# Altium PCB CFD_V1.03.PcbDoc (part 9 of 10)
Units mm, origin at the board's own origin, x right, y up, seen from the top; angles counter-clockwise.
Board outline 96.25 x 362.25 mm, 6 copper layers (Top, L2, L3, L4, L5, Bot), stack 1.496 mm thick; 1353 components, 761 nets, 4147 pads, 1354 vias.
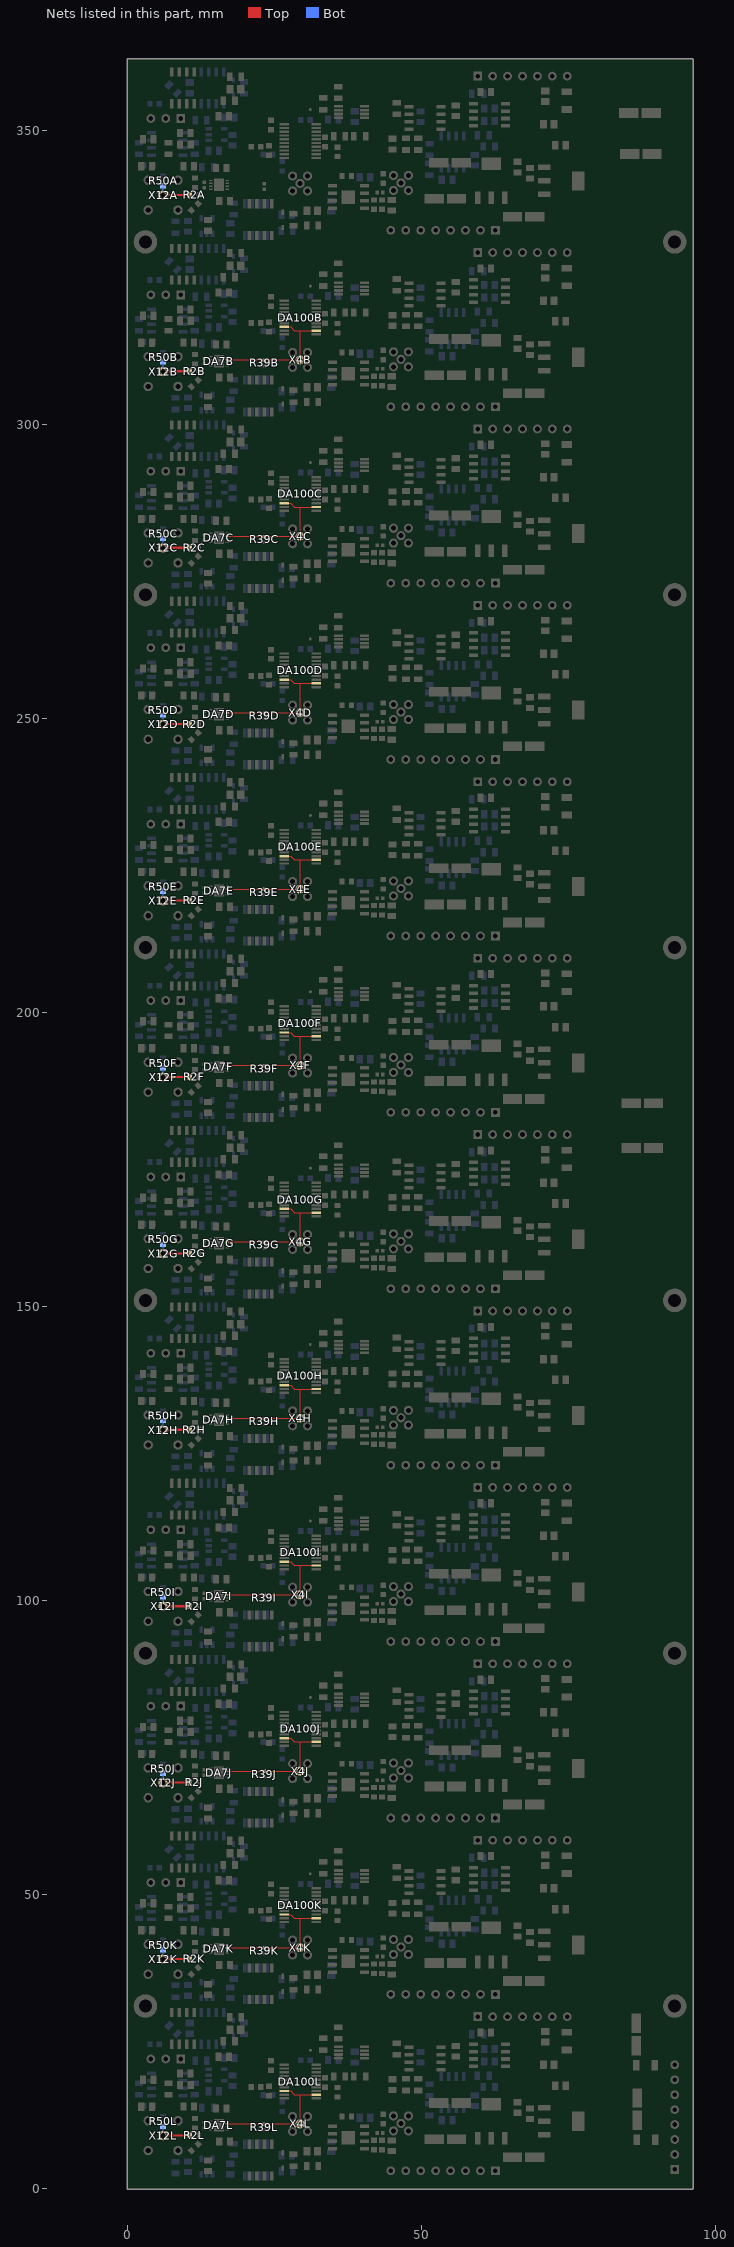
[diagram p13: the nets of this part, all layers, seen from the top]

## Via types
v1: diameter 0.48, hole 0.25, Top to Bot, tented both sides, 1301 vias
v2: diameter 1, hole 0.6, Top to Bot, tented both sides, 46 vias
v3: diameter 0.2/0.48/0.48/0.48/0.48/0.48 (per signal layer), hole 0.25, Top to Bot, tented both sides, 3 vias
v4: diameter 0.2/0/0/0/0/0.48 (per signal layer), hole 0.25, Top to Bot, tented both sides, 3 vias
v5: diameter 0.48/0.48/0.48/0.48/0.48/0.48 (per signal layer), hole 0.25, Top to Bot, tented both sides, 1 vias

## Nets (pads, with @x,y where several pads share a name; then routed paths per layer and width w, separated by ;. In a path a pad name is that pad's centre, name@x,y a point inside that pad or via, vN(x,y) a via of type N, cw(c..) or ccw(c..) an arc to the next point about the centre after c; other vN are vias at no path point) (continued)
SIG_IN_BUFB: DA7B.7 DA100B.8 DA100B.12 R39B.1 X4B.1 | length 22.6
  Top w0.12: DA100B.8@26.83,316.56 27.67,316.56 28.305,315.925 29.33,315.925 DA100B.12@31.805,315.925 ; X4B.1@29.3,310.95 29.33,310.98 29.33,315.9
  Top w0.15: DA7B.7@16.9,310.95 23.2,310.95 X4B.1@29.3,310.95
SIG_IN_BUFC: DA7C.7 DA100C.8 DA100C.12 R39C.1 X4C.1 | length 22.6
  Top w0.12: DA100C.8@26.83,286.56 27.67,286.56 28.305,285.925 29.33,285.925 DA100C.12@31.805,285.925 ; X4C.1@29.3,280.95 29.33,280.98 29.33,285.9
  Top w0.15: DA7C.7@16.9,280.95 23.2,280.95 X4C.1@29.3,280.95
SIG_IN_BUFD: DA7D.7 DA100D.8 DA100D.12 R39D.1 X4D.1 | length 22.6
  Top w0.12: DA100D.8@26.83,256.56 27.67,256.56 28.305,255.925 29.33,255.925 DA100D.12@31.805,255.925 ; X4D.1@29.3,250.95 29.33,250.98 29.33,255.9
  Top w0.15: DA7D.7@16.9,250.95 23.2,250.95 X4D.1@29.3,250.95
SIG_IN_BUFE: DA7E.7 DA100E.8 DA100E.12 R39E.1 X4E.1 | length 22.6
  Top w0.12: DA100E.8@26.83,226.56 27.67,226.56 28.305,225.925 29.33,225.925 DA100E.12@31.805,225.925 ; X4E.1@29.3,220.95 29.33,220.98 29.33,225.9
  Top w0.15: DA7E.7@16.9,220.95 23.2,220.95 X4E.1@29.3,220.95
SIG_IN_BUFF: DA7F.7 DA100F.8 DA100F.12 R39F.1 X4F.1 | length 22.6
  Top w0.12: DA100F.8@26.83,196.56 27.67,196.56 28.305,195.925 29.33,195.925 DA100F.12@31.805,195.925 ; X4F.1@29.3,190.95 29.33,190.98 29.33,195.9
  Top w0.15: DA7F.7@16.9,190.95 23.2,190.95 X4F.1@29.3,190.95
SIG_IN_BUFG: DA7G.7 DA100G.8 DA100G.12 R39G.1 X4G.1 | length 22.6
  Top w0.12: DA100G.8@26.83,166.56 27.67,166.56 28.305,165.925 29.33,165.925 DA100G.12@31.805,165.925 ; X4G.1@29.3,160.95 29.33,160.98 29.33,165.9
  Top w0.15: DA7G.7@16.9,160.95 23.2,160.95 X4G.1@29.3,160.95
SIG_IN_BUFH: DA7H.7 DA100H.8 DA100H.12 R39H.1 X4H.1 | length 22.6
  Top w0.12: DA100H.8@26.83,136.56 27.67,136.56 28.305,135.925 29.33,135.925 DA100H.12@31.805,135.925 ; X4H.1@29.3,130.95 29.33,130.98 29.33,135.9
  Top w0.15: DA7H.7@16.9,130.95 23.2,130.95 X4H.1@29.3,130.95
SIG_IN_BUFI: DA7I.7 DA100I.8 DA100I.12 R39I.1 X4I.1 | length 22.6
  Top w0.12: DA100I.8@26.83,106.56 27.67,106.56 28.305,105.925 29.33,105.925 DA100I.12@31.805,105.925 ; X4I.1@29.3,100.95 29.33,100.98 29.33,105.9
  Top w0.15: DA7I.7@16.9,100.95 23.2,100.95 X4I.1@29.3,100.95
SIG_IN_BUFJ: DA7J.7 DA100J.8 DA100J.12 R39J.1 X4J.1 | length 22.6
  Top w0.12: DA100J.8@26.83,76.56 27.67,76.56 28.305,75.925 29.33,75.925 DA100J.12@31.805,75.925 ; X4J.1@29.3,70.95 29.33,70.98 29.33,75.9
  Top w0.15: DA7J.7@16.9,70.95 23.2,70.95 X4J.1@29.3,70.95
SIG_IN_BUFK: DA7K.7 DA100K.8 DA100K.12 R39K.1 X4K.1 | length 22.6
  Top w0.12: DA100K.8@26.83,46.56 27.67,46.56 28.305,45.925 29.33,45.925 DA100K.12@31.805,45.925 ; X4K.1@29.3,40.95 29.33,40.98 29.33,45.9
  Top w0.15: DA7K.7@16.9,40.95 23.2,40.95 X4K.1@29.3,40.95
SIG_IN_BUFL: DA7L.7 DA100L.8 DA100L.12 R39L.1 X4L.1 | length 22.6
  Top w0.12: DA100L.8@26.83,16.56 27.67,16.56 28.305,15.925 29.33,15.925 DA100L.12@31.805,15.925 ; X4L.1@29.3,10.95 29.33,10.98 29.33,15.9
  Top w0.15: DA7L.7@16.9,10.95 23.2,10.95 X4L.1@29.3,10.95
SIG_INA: R2A.1 R50A.1 X12A.1 | length 6.4
  Top w0.37: X12A.1@6,339 R2A.1@10.65,339
  Bot w0.12: X12A.1@6,339 R50A.1@6,340.7
SIG_INB: R2B.1 R50B.1 X12B.1 | length 6.4
  Top w0.37: X12B.1@6,309 R2B.1@10.65,309
  Bot w0.12: X12B.1@6,309 R50B.1@6,310.7
SIG_INC: R2C.1 R50C.1 X12C.1 | length 6.4
  Top w0.37: X12C.1@6,279 R2C.1@10.65,279
  Bot w0.12: X12C.1@6,279 R50C.1@6,280.7
SIG_IND: R2D.1 R50D.1 X12D.1 | length 6.3
  Top w0.37: X12D.1@6,249 R2D.1@10.65,249
  Bot w0.12: X12D.1@6,249 R50D.1@6,250.7
SIG_INE: R2E.1 R50E.1 X12E.1 | length 6.3
  Top w0.37: X12E.1@6,219 R2E.1@10.65,219
  Bot w0.12: X12E.1@6,219 R50E.1@6,220.7
SIG_INF: R2F.1 R50F.1 X12F.1 | length 6.4
  Top w0.37: X12F.1@6,189 R2F.1@10.65,189
  Bot w0.12: X12F.1@6,189 R50F.1@6,190.7
SIG_ING: R2G.1 R50G.1 X12G.1 | length 6.4
  Top w0.37: X12G.1@6,159 R2G.1@10.65,159
  Bot w0.12: X12G.1@6,159 R50G.1@6,160.7
SIG_INH: R2H.1 R50H.1 X12H.1 | length 6.4
  Top w0.37: X12H.1@6,129 R2H.1@10.65,129
  Bot w0.12: X12H.1@6,129 R50H.1@6,130.7
SIG_INI: R2I.1 R50I.1 X12I.1 | length 6.4
  Top w0.37: X12I.1@6,99 R2I.1@10.65,99
  Bot w0.12: X12I.1@6,99 R50I.1@6,100.7
SIG_INJ: R2J.1 R50J.1 X12J.1 | length 6.3
  Top w0.37: X12J.1@6,69 R2J.1@10.65,69
  Bot w0.12: X12J.1@6,69 R50J.1@6,70.7
SIG_INK: R2K.1 R50K.1 X12K.1 | length 6.4
  Top w0.37: X12K.1@6,39 R2K.1@10.65,39
  Bot w0.12: X12K.1@6,39 R50K.1@6,40.7
SIG_INL: R2L.1 R50L.1 X12L.1 | length 6.3
  Top w0.37: X12L.1@6,9 R2L.1@10.65,9
  Bot w0.12: X12L.1@6,9 R50L.1@6,10.7
pads on no net: DA2A.7 DA2B.7 DA2C.7 DA2D.7 DA2E.7 DA2F.7 DA2G.7 DA2H.7 DA2I.7 DA2J.7 DA2K.7 DA2L.7 DA4A.1 DA4A.5 DA4A.8 DA4B.1 DA4B.5 DA4B.8 DA4C.1 DA4C.5 DA4C.8 DA4D.1 DA4D.5 DA4D.8 DA4E.1 DA4E.5 DA4E.8 DA4F.1 DA4F.5 DA4F.8 DA4G.1 DA4G.5 DA4G.8 DA4H.1 DA4H.5 DA4H.8 DA4I.1 DA4I.5 DA4I.8 DA4J.1 DA4J.5 DA4J.8 DA4K.1 DA4K.5 DA4K.8 DA4L.1 DA4L.5 DA4L.8 DA5A.1 DA5A.5 DA5A.8 DA5B.1 DA5B.5 DA5B.8 DA5C.1 DA5C.5 DA5C.8 DA5D.1 DA5D.5 DA5D.8 DA5E.1 DA5E.5 DA5E.8 DA5F.1 DA5F.5 DA5F.8 DA5G.1 DA5G.5 DA5G.8 DA5H.1 DA5H.5 DA5H.8 DA5I.1 DA5I.5 DA5I.8 DA5J.1 DA5J.5 DA5J.8 DA5K.1 DA5K.5 DA5K.8 DA5L.1 DA5L.5 DA5L.8 DA6A.1 DA6A.5 DA6A.8 DA6B.1 DA6B.5 DA6B.8 DA6C.1 DA6C.5 DA6C.8 DA6D.1 DA6D.5 DA6D.8 DA6E.1 DA6E.5 DA6E.8 DA6F.1 DA6F.5 DA6F.8 DA6G.1 DA6G.5 DA6G.8 DA6H.1 DA6H.5 DA6H.8 DA6I.1 DA6I.5 DA6I.8 DA6J.1 DA6J.5 DA6J.8 DA6K.1 DA6K.5 DA6K.8 DA6L.1 DA6L.5 DA6L.8 DA7A.1 DA7A.6 DA7B.1 DA7B.6 DA7C.1 DA7C.6 DA7D.1 DA7D.6 DA7E.1 DA7E.6 DA7F.1 DA7F.6 DA7G.1 DA7G.6 DA7H.1 DA7H.6 DA7I.1 DA7I.6 DA7J.1 DA7J.6 DA7K.1 DA7K.6 DA7L.1 DA7L.6 DA8A.5 DA8A.8 DA8A.9 DA8B.5 DA8B.8 DA8B.9 DA8C.5 DA8C.8 DA8C.9 DA8D.5 DA8D.8 DA8D.9 DA8E.5 DA8E.8 DA8E.9 DA8F.5 DA8F.8 DA8F.9 DA8G.5 DA8G.8 DA8G.9 DA8H.5 DA8H.8 DA8H.9 DA8I.5 DA8I.8 DA8I.9 DA8J.5 DA8J.8 DA8J.9 DA8K.5 DA8K.8 DA8K.9 DA8L.5 DA8L.8 DA8L.9 DA20A.1 DA20A.5 DA20A.8 DA20B.1 DA20B.5 DA20B.8 DA20C.1 DA20C.5 DA20C.8 DA20D.1 DA20D.5 DA20D.8 DA20E.1 DA20E.5 DA20E.8 DA20F.1 DA20F.5 DA20F.8 DA20G.1 DA20G.5 DA20G.8 DA20H.1 DA20H.5 DA20H.8 DA20I.1 DA20I.5 DA20I.8 DA20J.1 DA20J.5 DA20J.8 DA20K.1 DA20K.5 DA20K.8 DA20L.1 DA20L.5 DA20L.8 DA100A.5 DA100A.6 DA100A.10 DA100A.11 DA100A.15 DA100A.16 DA100B.5 DA100B.6 DA100B.10 DA100B.11 DA100B.15 DA100B.16 DA100C.5 DA100C.6 DA100C.10 DA100C.11 DA100C.15 DA100C.16 DA100D.5 DA100D.6 DA100D.10 DA100D.11 DA100D.15 DA100D.16 DA100E.5 DA100E.6 DA100E.10 DA100E.11 DA100E.15 DA100E.16 DA100F.5 DA100F.6 DA100F.10 DA100F.11 DA100F.15 DA100F.16 DA100G.5 DA100G.6 DA100G.10 DA100G.11 DA100G.15 DA100G.16 DA100H.5 DA100H.6 DA100H.10 DA100H.11 DA100H.15 DA100H.16 DA100I.5 DA100I.6 DA100I.10 DA100I.11 DA100I.15 DA100I.16 DA100J.5 DA100J.6 DA100J.10 DA100J.11 DA100J.15 DA100J.16 DA100K.5 DA100K.6 DA100K.10 DA100K.11 DA100K.15 DA100K.16 DA100L.5 DA100L.6 DA100L.10 DA100L.11 DA100L.15 DA100L.16 DD9A.1 DD9A.4 DD9B.1 DD9B.4 DD9C.1 DD9C.4 DD9D.1 DD9D.4 DD9E.1 DD9E.4 DD9F.1 DD9F.4 DD9G.1 DD9G.4 DD9H.1 DD9H.4 DD9I.1 DD9I.4 DD9J.1 DD9J.4 DD9K.1 DD9K.4 DD9L.1 DD9L.4

## Polygon pours and split planes (outlines as drawn)
GND on L3 "Mid-Layer 2-$Net743 12" (solid, pour order 11): 21.57,9.27 21.57,13.8 33.27,13.8 33.27,9.27
GND on L3 "Mid-Layer 2-$Net743" (solid, pour order 23): 0.5,12.5 6.795,12.5 6.796,12.5 9.196,14.9 17.97,14.9 17.97,5.5 0.5,5.5
GND on L3 "Mid-Layer 2-$Net743 1" (solid, pour order 22): 0.5,42.5 6.795,42.5 6.796,42.5 9.196,44.9 17.97,44.9 17.97,35.5 0.5,35.5
GND on L3 "Mid-Layer 2-$Net743 13" (solid, pour order 10): 21.57,39.27 21.57,43.8 33.27,43.8 33.27,39.27
GND on L3 "Mid-Layer 2-$Net743 2" (solid, pour order 21): 0.5,72.5 6.795,72.5 6.796,72.5 9.196,74.9 17.97,74.9 17.97,65.5 0.5,65.5
GND on L3 "Mid-Layer 2-$Net743 14" (solid, pour order 9): 21.57,69.27 21.57,73.8 33.27,73.8 33.27,69.27
GND on L3 "Mid-Layer 2-$Net743 15" (solid, pour order 8): 21.57,99.27 21.57,103.8 33.27,103.8 33.27,99.27
GND on L3 "Mid-Layer 2-$Net743 3" (solid, pour order 20): 0.5,102.5 6.795,102.5 6.796,102.5 9.196,104.9 17.97,104.9 17.97,95.5 0.5,95.5
GND on L3 "Mid-Layer 2-$Net743 4" (solid, pour order 19): 0.5,132.5 6.795,132.5 6.796,132.5 9.196,134.9 17.97,134.9 17.97,125.5 0.5,125.5
GND on L3 "Mid-Layer 2-$Net743 16" (solid, pour order 7): 21.57,129.27 21.57,133.8 33.27,133.8 33.27,129.27
GND on L3 "Mid-Layer 2-$Net743 5" (solid, pour order 18): 0.5,162.5 6.795,162.5 6.796,162.5 9.196,164.9 17.97,164.9 17.97,155.5 0.5,155.5
GND on L3 "Mid-Layer 2-$Net743 17" (solid, pour order 6): 21.57,159.27 21.57,163.8 33.27,163.8 33.27,159.27
GND on L3 "Mid-Layer 2-$Net743 18" (solid, pour order 5): 21.57,189.27 21.57,193.8 33.27,193.8 33.27,189.27
GND on L3 "Mid-Layer 2-$Net743 6" (solid, pour order 17): 0.5,192.5 6.795,192.5 6.796,192.5 9.196,194.9 17.97,194.9 17.97,185.5 0.5,185.5
GND on L3 "Mid-Layer 2-$Net743 7" (solid, pour order 16): 0.5,222.5 6.795,222.5 6.796,222.5 9.196,224.9 17.97,224.9 17.97,215.5 0.5,215.5
GND on L3 "Mid-Layer 2-$Net743 19" (solid, pour order 4): 21.57,219.27 21.57,223.8 33.27,223.8 33.27,219.27
GND on L3 "Mid-Layer 2-$Net743 20" (solid, pour order 3): 21.57,249.27 21.57,253.8 33.27,253.8 33.27,249.27
GND on L3 "Mid-Layer 2-$Net743 8" (solid, pour order 15): 0.5,252.5 6.795,252.5 6.796,252.5 9.196,254.9 17.97,254.9 17.97,245.5 0.5,245.5
GND on L3 "Mid-Layer 2-$Net743 9" (solid, pour order 14): 0.5,282.5 6.795,282.5 6.796,282.5 9.196,284.9 17.97,284.9 17.97,275.5 0.5,275.5
GND on L3 "Mid-Layer 2-$Net743 21" (solid, pour order 2): 21.57,279.27 21.57,283.8 33.27,283.8 33.27,279.27
GND on L3 "Mid-Layer 2-$Net743 10" (solid, pour order 13): 0.5,312.5 6.795,312.5 6.796,312.5 9.196,314.9 17.97,314.9 17.97,305.5 0.5,305.5
GND on L3 "Mid-Layer 2-$Net743 22" (solid, pour order 1): 21.57,309.27 21.57,313.8 33.27,313.8 33.27,309.27
GND on L3 "Mid-Layer 2-$Net743 23" (solid, pour order 0): 21.6,339.27 21.6,343.8 33.3,343.8 33.3,339.27
GND on L3 "Mid-Layer 2-$Net743 11" (solid, pour order 12): 0.53,342.5 6.825,342.5 6.826,342.5 9.226,344.9 18,344.9 18,335.5 0.53,335.5
GND on Bot "GND_L06_P2624" (solid, pour order 2624): 17 vertices, not listed, extent 33.5,303 48.693,313.163
GND on Bot "GND_L06_P2625" (solid, pour order 2625): 17 vertices, not listed, extent 33.5,273 48.693,283.163
GND on Bot "GND_L06_P2626" (solid, pour order 2626): 17 vertices, not listed, extent 33.5,243 48.693,253.163
GND on Bot "GND_L06_P2627" (solid, pour order 2627): 17 vertices, not listed, extent 33.5,213 48.693,223.163
GND on Bot "GND_L06_P2628" (solid, pour order 2628): 17 vertices, not listed, extent 33.5,183 48.693,193.163
GND on Bot "GND_L06_P2629" (solid, pour order 2629): 17 vertices, not listed, extent 33.5,153 48.693,163.163
GND on Bot "GND_L06_P2630" (solid, pour order 2630): 17 vertices, not listed, extent 33.5,123 48.693,133.163
GND on Bot "GND_L06_P2631" (solid, pour order 2631): 17 vertices, not listed, extent 33.5,93 48.693,103.163
GND on Bot "GND_L06_P2632" (solid, pour order 2632): 17 vertices, not listed, extent 33.5,63 48.693,73.163
GND on Bot "GND_L06_P2633" (solid, pour order 2633): 17 vertices, not listed, extent 33.5,33 48.693,43.163
GND on Bot "GND_L06_P2634" (solid, pour order 2634): 17 vertices, not listed, extent 33.5,3 48.693,13.163
GND on Bot "GND_L06_P2646" (solid, pour order 2646): 18 vertices, not listed, extent 0.56,5.44 18.03,12.44
GND on Bot "GND_L06_P2645" (solid, pour order 2645): 18 vertices, not listed, extent 0.56,35.44 18.03,42.44
GND on Bot "GND_L06_P2644" (solid, pour order 2644): 18 vertices, not listed, extent 0.56,65.44 18.03,72.44
GND on Bot "GND_L06_P2643" (solid, pour order 2643): 18 vertices, not listed, extent 0.56,95.44 18.03,102.44
GND on Bot "GND_L06_P2642" (solid, pour order 2642): 18 vertices, not listed, extent 0.56,125.44 18.03,132.44
GND on Bot "GND_L06_P2641" (solid, pour order 2641): 18 vertices, not listed, extent 0.56,155.44 18.03,162.44
GND on Bot "GND_L06_P2640" (solid, pour order 2640): 18 vertices, not listed, extent 0.56,185.44 18.03,192.44
GND on Bot "GND_L06_P2639" (solid, pour order 2639): 18 vertices, not listed, extent 0.56,215.44 18.03,222.44
GND on Bot "GND_L06_P2638" (solid, pour order 2638): 18 vertices, not listed, extent 0.56,245.44 18.03,252.44
GND on Bot "GND_L06_P2637" (solid, pour order 2637): 18 vertices, not listed, extent 0.56,275.44 18.03,282.44
GND on Bot "GND_L06_P2636" (solid, pour order 2636): 18 vertices, not listed, extent 0.56,305.44 18.03,312.44
GND on Bot "GND_L06_P2635" (solid, pour order 2635): 18 vertices, not listed, extent 0.56,335.44 18.03,342.44
GND on Bot "GND_L06_P2611" (solid, pour order 2611): 17 vertices, not listed, extent 33.5,333 48.693,343.163
GND on Top "GND_L01_P2605" (solid, remove dead copper, pour order 2605): 21.8,30.8 21.8,17.2 36.05,17.2 36,17.15 36,16.316 36.116,16.2 64.169,16.2 70.069,22.1 80.9,22.1 80.9,30.8
GND on Top "GND_L01_P2604" (solid, remove dead copper, pour order 2604): 21.8,60.8 21.8,47.2 36.05,47.2 36,47.15 36,46.316 36.116,46.2 64.169,46.2 70.069,52.1 80.9,52.1 80.9,60.8
GND on Top "GND_L01_P2603" (solid, remove dead copper, pour order 2603): 21.8,90.8 21.8,77.2 36.05,77.2 36,77.15 36,76.316 36.116,76.2 64.169,76.2 70.069,82.1 80.9,82.1 80.9,90.8
GND on Top "GND_L01_P2610" (solid, remove dead copper, pour order 2610): 21.8,120.8 21.8,107.2 36.05,107.2 36,107.15 36,106.316 36.116,106.2 64.169,106.2 70.069,112.1 80.9,112.1 80.9,120.8
GND on Top "GND_L01_P2609" (solid, remove dead copper, pour order 2609): 21.8,150.8 21.8,137.2 36.05,137.2 36,137.15 36,136.316 36.116,136.2 64.169,136.2 70.069,142.1 80.9,142.1 80.9,150.8
GND on Top "GND_L01_P2599" (solid, remove dead copper, pour order 2599): 21.8,360.8 21.8,347.2 36.05,347.2 36,347.15 36,346.316 36.116,346.2 64.169,346.2 70.069,352.1 80.9,352.1 80.9,360.8
GND on Top "GND_L01_P2608" (solid, remove dead copper, pour order 2608): 21.8,330.8 21.8,317.2 36.05,317.2 36,317.15 36,316.316 36.116,316.2 64.169,316.2 70.069,322.1 80.9,322.1 80.9,330.8
GND on Top "GND_L01_P2600" (solid, remove dead copper, pour order 2600): 21.8,300.8 21.8,287.2 36.05,287.2 36,287.15 36,286.316 36.116,286.2 64.169,286.2 70.069,292.1 80.9,292.1 80.9,300.8
GND on Top "GND_L01_P2607" (solid, remove dead copper, pour order 2607): 21.8,270.8 21.8,257.2 36.05,257.2 36,257.15 36,256.316 36.116,256.2 64.169,256.2 70.069,262.1 80.9,262.1 80.9,270.8
GND on Top "GND_L01_P2601" (solid, remove dead copper, pour order 2601): 21.8,240.8 21.8,227.2 36.05,227.2 36,227.15 36,226.316 36.116,226.2 64.169,226.2 70.069,232.1 80.9,232.1 80.9,240.8
GND on Top "GND_L01_P2606" (solid, remove dead copper, pour order 2606): 21.8,210.8 21.8,197.2 36.05,197.2 36,197.15 36,196.316 36.116,196.2 64.169,196.2 70.069,202.1 80.9,202.1 80.9,210.8
GND on Top "GND_L01_P2602" (solid, remove dead copper, pour order 2602): 21.8,180.8 21.8,167.2 36.05,167.2 36,167.15 36,166.316 36.116,166.2 64.169,166.2 70.069,172.1 80.9,172.1 80.9,180.8
GND on Top "GND_L01_P2623" (solid, pour order 2623): 30.09,15.711 30.09,9.66 31.05,8.7 33.83,8.7 33.83,15.497 33.127,16.2 32.305,16.2 31.816,15.711 30.09,15.711
GND on Top "GND_L01_P2622" (solid, pour order 2622): 30.09,45.711 30.09,39.66 31.05,38.7 33.83,38.7 33.83,45.497 33.127,46.2 32.305,46.2 31.816,45.711 30.09,45.711
GND on Top "GND_L01_P2621" (solid, pour order 2621): 30.09,75.711 30.09,69.66 31.05,68.7 33.83,68.7 33.83,75.497 33.127,76.2 32.305,76.2 31.816,75.711 30.09,75.711
GND on Top "GND_L01_P2620" (solid, pour order 2620): 30.09,105.711 30.09,99.66 31.05,98.7 33.83,98.7 33.83,105.497 33.127,106.2 32.305,106.2 31.816,105.711 30.09,105.711
GND on Top "GND_L01_P2619" (solid, pour order 2619): 30.09,135.711 30.09,129.66 31.05,128.7 33.83,128.7 33.83,135.497 33.127,136.2 32.305,136.2 31.816,135.711 30.09,135.711
GND on Top "GND_L01_P2618" (solid, pour order 2618): 30.09,165.711 30.09,159.66 31.05,158.7 33.83,158.7 33.83,165.497 33.127,166.2 32.305,166.2 31.816,165.711 30.09,165.711
GND on Top "GND_L01_P2617" (solid, pour order 2617): 30.09,195.711 30.09,189.66 31.05,188.7 33.83,188.7 33.83,195.497 33.127,196.2 32.305,196.2 31.816,195.711 30.09,195.711
GND on Top "GND_L01_P2613" (solid, pour order 2613): 30.09,315.711 30.09,309.66 31.05,308.7 33.83,308.7 33.83,315.497 33.127,316.2 32.305,316.2 31.816,315.711 30.09,315.711
GND on Top "GND_L01_P2614" (solid, pour order 2614): 30.09,285.711 30.09,279.66 31.05,278.7 33.83,278.7 33.83,285.497 33.127,286.2 32.305,286.2 31.816,285.711 30.09,285.711
GND on Top "GND_L01_P2615" (solid, pour order 2615): 30.09,255.711 30.09,249.66 31.05,248.7 33.83,248.7 33.83,255.497 33.127,256.2 32.305,256.2 31.816,255.711 30.09,255.711
GND on Top "GND_L01_P2616" (solid, pour order 2616): 30.09,225.711 30.09,219.66 31.05,218.7 33.83,218.7 33.83,225.497 33.127,226.2 32.305,226.2 31.816,225.711 30.09,225.711
GND on Top "GND_L01_P2612" (solid, pour order 2612): 30.09,345.711 30.09,339.66 31.05,338.7 33.83,338.7 33.83,345.497 33.127,346.2 32.305,346.2 31.816,345.711 30.09,345.711
GND on Top "Top Layer-$Net743 12" (solid, pour order 143): 43.385,1 33.07,1 33.07,3.91 43.385,3.91
GND on Top "Top Layer-$Net743 13" (solid, pour order 142): 43.385,31 33.07,31 33.07,33.91 43.385,33.91
GND on Top "Top Layer-$Net743 14" (solid, pour order 141): 43.385,61 33.07,61 33.07,63.91 43.385,63.91
GND on Top "Top Layer-$Net743 15" (solid, pour order 140): 43.385,91 33.07,91 33.07,93.91 43.385,93.91
GND on Top "Top Layer-$Net743 16" (solid, pour order 139): 43.385,121 33.07,121 33.07,123.91 43.385,123.91
GND on Top "Top Layer-$Net743 17" (solid, pour order 138): 43.385,151 33.07,151 33.07,153.91 43.385,153.91
GND on Top "Top Layer-$Net743 18" (solid, pour order 137): 43.385,181 33.07,181 33.07,183.91 43.385,183.91
GND on Top "Top Layer-$Net743 19" (solid, pour order 136): 43.385,211 33.07,211 33.07,213.91 43.385,213.91
GND on Top "Top Layer-$Net743 20" (solid, pour order 135): 43.385,241 33.07,241 33.07,243.91 43.385,243.91
GND on Top "Top Layer-$Net743 21" (solid, pour order 134): 43.385,271 33.07,271 33.07,273.91 43.385,273.91
GND on Top "Top Layer-$Net743 22" (solid, pour order 133): 43.385,301 33.07,301 33.07,303.91 43.385,303.91
GND on Top "Top Layer-$Net743 23" (solid, pour order 132): 43.385,331 33.07,331 33.07,333.91 43.385,333.91
GND on L2 "Mid-Layer 1-$Net743" (solid, pour order 268): 4090 vertices, not listed, extent 0.5,0.5 95.5,361.5
GND on L2 "Mid-Layer 1-$Net743 5" (solid, pour order 263): 441 vertices, not listed, extent 0.5,121.225 74.875,150.975
GND on L2 "Mid-Layer 1-$Net743 2" (solid, pour order 266): 437 vertices, not listed, extent 0.5,31.225 74.875,60.975
GND on L2 "Mid-Layer 1-$Net743 9" (solid, pour order 259): 441 vertices, not listed, extent 0.5,241.225 74.875,270.975
GND on L2 "Mid-Layer 1-$Net743 4" (solid, pour order 264): 437 vertices, not listed, extent 0.5,91.225 74.875,120.975
GND on L2 "Mid-Layer 1-$Net743 10" (solid, pour order 258): 437 vertices, not listed, extent 0.5,271.225 74.875,300.975
GND on L2 "Mid-Layer 1-$Net743 1" (solid, pour order 267): 440 vertices, not listed, extent 0.5,1.225 74.875,30.975
GND on L2 "Mid-Layer 1-$Net743 3" (solid, pour order 265): 441 vertices, not listed, extent 0.5,61.225 74.875,90.975
GND on L2 "Mid-Layer 1-$Net743 7" (solid, pour order 261): 441 vertices, not listed, extent 0.5,181.225 74.875,210.975
GND on L2 "Mid-Layer 1-$Net743 12" (solid, pour order 256): 437 vertices, not listed, extent 0.5,331.225 74.875,360.975
GND on L2 "Mid-Layer 1-$Net743 6" (solid, pour order 262): 437 vertices, not listed, extent 0.5,151.225 74.875,180.975
GND on L2 "Mid-Layer 1-$Net743 11" (solid, pour order 257): 441 vertices, not listed, extent 0.5,301.225 74.875,330.975
GND on L2 "Mid-Layer 1-$Net743 8" (solid, pour order 260): 437 vertices, not listed, extent 0.5,211.225 74.875,240.975
P5V0B on L4 "Mid-Layer 3-No Net 1413" (solid, pour order 1143): 768 vertices, not listed, extent 0.5,301.225 48.375,330.975
P3V3D on L4 "Mid-Layer 3-No Net 1400" (solid, pour order 1156): 213 vertices, not listed, extent 21.875,241.225 80.775,270.975
P5V5 on L4 "Mid-Layer 3-No Net 1390" (solid, pour order 1166): 119 vertices, not listed, extent 81.025,0.5 95.5,361.5
P5V0L on L4 "Mid-Layer 3-No Net 1403" (solid, pour order 1153): 767 vertices, not listed, extent 0.5,1.225 48.375,30.975
P5V0K on L4 "Mid-Layer 3-No Net 1404" (solid, pour order 1152): 764 vertices, not listed, extent 0.5,31.225 48.375,60.975
P5V0J on L4 "Mid-Layer 3-No Net 1405" (solid, pour order 1151): 768 vertices, not listed, extent 0.5,61.225 48.375,90.975
P5V0I on L4 "Mid-Layer 3-No Net 1406" (solid, pour order 1150): 764 vertices, not listed, extent 0.5,91.225 48.375,120.975
P5V0H on L4 "Mid-Layer 3-No Net 1407" (solid, pour order 1149): 768 vertices, not listed, extent 0.5,121.225 48.375,150.975
P5V0G on L4 "Mid-Layer 3-No Net 1408" (solid, pour order 1148): 726 vertices, not listed, extent 0.5,151.225 48.375,180.975
P5V0F on L4 "Mid-Layer 3-No Net 1409" (solid, pour order 1147): 768 vertices, not listed, extent 0.5,181.225 48.375,210.975
P5V0E on L4 "Mid-Layer 3-No Net 1410" (solid, pour order 1146): 764 vertices, not listed, extent 0.5,211.225 48.375,240.975
P5V0D on L4 "Mid-Layer 3-No Net 1411" (solid, pour order 1145): 769 vertices, not listed, extent 0.5,241.225 48.375,270.975
P5V0C on L4 "Mid-Layer 3-No Net 1412" (solid, pour order 1144): 767 vertices, not listed, extent 0.5,271.225 48.375,300.975
P5V0A on L4 "Mid-Layer 3-No Net 1414" (solid, pour order 1142): 768 vertices, not listed, extent 0.5,331.225 48.375,360.975
P3V3L on L4 "Mid-Layer 3-No Net 1392" (solid, pour order 1164): 213 vertices, not listed, extent 21.875,1.225 80.775,30.975
P3V3K on L4 "Mid-Layer 3-No Net 1393" (solid, pour order 1163): 213 vertices, not listed, extent 21.875,31.225 80.775,60.975
P3V3J on L4 "Mid-Layer 3-No Net 1394" (solid, pour order 1162): 213 vertices, not listed, extent 21.875,61.225 80.775,90.975
P3V3I on L4 "Mid-Layer 3-No Net 1395" (solid, pour order 1161): 213 vertices, not listed, extent 21.875,91.225 80.775,120.975
P3V3H on L4 "Mid-Layer 3-No Net 1396" (solid, pour order 1160): 213 vertices, not listed, extent 21.875,121.225 80.775,150.975
P3V3G on L4 "Mid-Layer 3-No Net 1397" (solid, pour order 1159): 214 vertices, not listed, extent 21.875,151.225 80.775,180.975
P3V3F on L4 "Mid-Layer 3-No Net 1398" (solid, pour order 1158): 213 vertices, not listed, extent 21.875,181.225 80.775,210.975
P3V3E on L4 "Mid-Layer 3-No Net 1399" (solid, pour order 1157): 213 vertices, not listed, extent 21.875,211.225 80.775,240.975
P3V3C on L4 "Mid-Layer 3-No Net 1401" (solid, pour order 1155): 213 vertices, not listed, extent 21.875,271.225 80.775,300.975
P3V3B on L4 "Mid-Layer 3-No Net 1402" (solid, pour order 1154): 213 vertices, not listed, extent 21.875,301.225 80.775,330.975
P3V3A on L4 "Mid-Layer 3-No Net 1391" (solid, pour order 1165): 263 vertices, not listed, extent 0.5,331.225 80.775,361.5
GND on L4 "Mid-Layer 3-No Net 1415" (solid, pour order 1141): 122 vertices, not listed, extent 0.5,5.6 17.9,14.8
GND on L4 "Mid-Layer 3-No Net 1416" (solid, pour order 1140): 122 vertices, not listed, extent 0.5,35.6 17.9,44.8
GND on L4 "Mid-Layer 3-No Net 1417" (solid, pour order 1139): 122 vertices, not listed, extent 0.5,65.6 17.9,74.8
GND on L4 "Mid-Layer 3-No Net 1418" (solid, pour order 1138): 122 vertices, not listed, extent 0.5,95.6 17.9,104.8
GND on L4 "Mid-Layer 3-No Net 1419" (solid, pour order 1137): 122 vertices, not listed, extent 0.5,125.6 17.9,134.8
GND on L4 "Mid-Layer 3-No Net 1420" (solid, pour order 1136): 122 vertices, not listed, extent 0.5,155.64 17.9,164.84
GND on L4 "Mid-Layer 3-No Net 1421" (solid, pour order 1135): 122 vertices, not listed, extent 0.5,185.6 17.9,194.8
GND on L4 "Mid-Layer 3-No Net 1422" (solid, pour order 1134): 122 vertices, not listed, extent 0.5,215.6 17.9,224.8
GND on L4 "Mid-Layer 3-No Net 1423" (solid, pour order 1133): 122 vertices, not listed, extent 0.5,245.6 17.9,254.8
GND on L4 "Mid-Layer 3-No Net 1424" (solid, pour order 1132): 122 vertices, not listed, extent 0.5,275.6 17.9,284.8
GND on L4 "Mid-Layer 3-No Net 1425" (solid, pour order 1131): 122 vertices, not listed, extent 0.5,305.6 17.9,314.8
GND on L4 "Mid-Layer 3-No Net 1426" (solid, pour order 1130): 122 vertices, not listed, extent 0.5,335.6 17.87,344.8
no net on L4 "Mid-Layer 3-No Net 1427" (solid, pour order 1129): 109 vertices, not listed, extent 0.5,0.5 80.775,0.975
P1V3L on L5 "Mid-Layer 4-No Net 1283" (solid, pour order 2573): 465 vertices, not listed, extent 21.875,1.225 60.573,30.975
P1V3K on L5 "Mid-Layer 4-No Net 1272" (solid, pour order 2584): 473 vertices, not listed, extent 21.875,31.225 60.622,60.975
P1V3J on L5 "Mid-Layer 4-No Net 1273" (solid, pour order 2583): 473 vertices, not listed, extent 21.875,61.225 60.622,90.975
P1V3I on L5 "Mid-Layer 4-No Net 1274" (solid, pour order 2582): 473 vertices, not listed, extent 21.875,91.225 60.622,120.975
P1V3H on L5 "Mid-Layer 4-No Net 1275" (solid, pour order 2581): 473 vertices, not listed, extent 21.875,121.225 60.622,150.975
P1V3A on L5 "Mid-Layer 4-No Net 1282" (solid, pour order 2574): 472 vertices, not listed, extent 21.875,331.225 60.622,360.975
P1V3B on L5 "Mid-Layer 4-No Net 1281" (solid, pour order 2575): 475 vertices, not listed, extent 21.875,301.225 60.622,330.975
P1V3C on L5 "Mid-Layer 4-No Net 1280" (solid, pour order 2576): 474 vertices, not listed, extent 21.875,271.225 60.622,300.975
P1V3D on L5 "Mid-Layer 4-No Net 1279" (solid, pour order 2577): 473 vertices, not listed, extent 21.875,241.225 60.622,270.975
P1V3E on L5 "Mid-Layer 4-No Net 1278" (solid, pour order 2578): 473 vertices, not listed, extent 21.875,211.225 60.622,240.975
P1V3F on L5 "Mid-Layer 4-No Net 1277" (solid, pour order 2579): 473 vertices, not listed, extent 21.875,181.225 60.622,210.975
P1V3G on L5 "Mid-Layer 4-No Net 1276" (solid, pour order 2580): 474 vertices, not listed, extent 21.875,151.225 60.622,180.975
GND on L5 "Mid-Layer 4-No Net 1258" (solid, pour order 2598): 263 vertices, not listed, extent 0.5,0.5 80.775,361.5
N5V0H on L5 "Mid-Layer 4-No Net 1264" (solid, pour order 2592): 785 vertices, not listed, extent 0.5,121.225 48.375,150.975
N5V0K on L5 "Mid-Layer 4-No Net 1261" (solid, pour order 2595): 781 vertices, not listed, extent 0.5,31.225 48.375,60.975
N5V0D on L5 "Mid-Layer 4-No Net 1268" (solid, pour order 2588): 785 vertices, not listed, extent 0.5,241.225 48.375,270.975
N5V0I on L5 "Mid-Layer 4-No Net 1263" (solid, pour order 2593): 781 vertices, not listed, extent 0.5,91.225 48.375,120.975
N5V0C on L5 "Mid-Layer 4-No Net 1269" (solid, pour order 2587): 781 vertices, not listed, extent 0.5,271.225 48.375,300.975
N5V0L on L5 "Mid-Layer 4-No Net 1260" (solid, pour order 2596): 785 vertices, not listed, extent 0.5,1.225 48.375,30.975
N5V0J on L5 "Mid-Layer 4-No Net 1262" (solid, pour order 2594): 785 vertices, not listed, extent 0.5,61.225 48.375,90.975
N5V0F on L5 "Mid-Layer 4-No Net 1266" (solid, pour order 2590): 785 vertices, not listed, extent 0.5,181.225 48.375,210.975
N5V0A on L5 "Mid-Layer 4-No Net 1271" (solid, pour order 2585): 785 vertices, not listed, extent 0.5,331.225 48.375,360.975
N5V0G on L5 "Mid-Layer 4-No Net 1265" (solid, pour order 2591): 743 vertices, not listed, extent 0.5,151.225 48.375,180.975
N5V0E on L5 "Mid-Layer 4-No Net 1267" (solid, pour order 2589): 781 vertices, not listed, extent 0.5,211.225 48.375,240.975
N5V0B on L5 "Mid-Layer 4-No Net 1270" (solid, pour order 2586): 785 vertices, not listed, extent 0.5,301.225 48.375,330.975
N5V5 on L5 "Mid-Layer 4-No Net 1259" (solid, pour order 2597): 107 vertices, not listed, extent 81.025,0.5 95.5,361.5
GND on L5 "Mid-Layer 4-No Net 1284" (solid, pour order 2572): 122 vertices, not listed, extent 0.5,5.6 17.9,14.8
GND on L5 "Mid-Layer 4-No Net 1285" (solid, pour order 2571): 122 vertices, not listed, extent 0.5,35.6 17.9,44.8
GND on L5 "Mid-Layer 4-No Net 1286" (solid, pour order 2570): 122 vertices, not listed, extent 0.5,65.6 17.9,74.8
GND on L5 "Mid-Layer 4-No Net 1287" (solid, pour order 2569): 122 vertices, not listed, extent 0.5,95.6 17.9,104.8
GND on L5 "Mid-Layer 4-No Net 1288" (solid, pour order 2568): 122 vertices, not listed, extent 0.5,125.6 17.9,134.8
GND on L5 "Mid-Layer 4-No Net 1289" (solid, pour order 2567): 122 vertices, not listed, extent 0.5,155.64 17.9,164.84
GND on L5 "Mid-Layer 4-No Net 1290" (solid, pour order 2566): 122 vertices, not listed, extent 0.5,185.6 17.9,194.8
GND on L5 "Mid-Layer 4-No Net 1291" (solid, pour order 2565): 122 vertices, not listed, extent 0.5,215.6 17.9,224.8
GND on L5 "Mid-Layer 4-No Net 1292" (solid, pour order 2564): 122 vertices, not listed, extent 0.5,245.6 17.9,254.8
GND on L5 "Mid-Layer 4-No Net 1293" (solid, pour order 2563): 122 vertices, not listed, extent 0.5,275.6 17.9,284.8
GND on L5 "Mid-Layer 4-No Net 1294" (solid, pour order 2562): 122 vertices, not listed, extent 0.5,305.6 17.9,314.8
GND on L5 "Mid-Layer 4-No Net 1295" (solid, pour order 2561): 122 vertices, not listed, extent 0.5,335.6 17.87,344.8

## Keep-outs
Keep-Out Layer:
  lines w0.25: 0,0 0,362 ; 0,0 96,0 ; 0,0 0,362 ; 0,0 96,0 ; 0,362 96,362 ; 0,362 96,362 ; 96,0 96,362 ; 96,0 96,362

## Other copper
L2:
  pour cut-out: 33.902,309.807 33.902,308.508 35.999,308.508 36.212,308.294 36.212,307.37 36.226,307.37 36.901,306.694 39.789,306.694 40.796,305.688 42.315,305.688 42.567,305.94 42.567,307.06 42.822,307.315 43.773,307.315 43.969,307.511 43.969,308.545 43.62,308.893 43.061,308.893 42.86,309.094 42.86,309.722 42.776,309.807
  pour cut-out: 33.902,279.807 33.902,278.508 35.998,278.508 36.212,278.295 36.212,277.37 36.225,277.37 36.901,276.695 39.789,276.695 40.795,275.688 42.315,275.688 42.567,275.94 42.567,277.06 42.822,277.316 43.773,277.316 43.968,277.512 43.968,278.545 43.62,278.894 43.061,278.894 42.86,279.095 42.86,279.723 42.775,279.808
  pour cut-out: 33.902,249.807 33.902,248.508 35.998,248.508 36.212,248.295 36.212,247.37 36.225,247.37 36.901,246.695 39.789,246.695 40.795,245.688 42.315,245.688 42.567,245.94 42.567,247.06 42.822,247.316 43.773,247.316 43.968,247.512 43.968,248.545 43.62,248.894 43.061,248.894 42.86,249.095 42.86,249.723 42.775,249.808
  pour cut-out: 33.902,219.807 33.902,218.508 35.998,218.508 36.212,218.295 36.212,217.37 36.225,217.37 36.901,216.695 39.789,216.695 40.795,215.688 42.315,215.688 42.567,215.94 42.567,217.06 42.822,217.316 43.773,217.316 43.968,217.512 43.968,218.545 43.62,218.894 43.061,218.894 42.86,219.095 42.86,219.723 42.775,219.808
  pour cut-out: 33.902,189.807 33.902,188.508 35.999,188.508 36.212,188.294 36.212,187.37 36.226,187.37 36.901,186.694 39.789,186.694 40.796,185.688 42.315,185.688 42.567,185.94 42.567,187.06 42.822,187.315 43.773,187.315 43.969,187.511 43.969,188.545 43.62,188.893 43.061,188.893 42.86,189.094 42.86,189.722 42.776,189.807
  pour cut-out: 33.902,159.807 33.902,158.508 35.998,158.508 36.212,158.295 36.212,157.37 36.225,157.37 36.901,156.695 39.789,156.695 40.795,155.688 42.315,155.688 42.567,155.94 42.567,157.06 42.822,157.316 43.773,157.316 43.968,157.512 43.968,158.545 43.62,158.894 43.061,158.894 42.86,159.095 42.86,159.723 42.775,159.808
  pour cut-out: 33.902,129.807 33.902,128.508 35.999,128.508 36.212,128.294 36.212,127.37 36.226,127.37 36.901,126.694 39.789,126.694 40.796,125.688 42.315,125.688 42.567,125.94 42.567,127.06 42.822,127.315 43.773,127.315 43.969,127.511 43.969,128.545 43.62,128.893 43.061,128.893 42.86,129.094 42.86,129.722 42.776,129.807
  pour cut-out: 33.902,99.807 33.902,98.508 35.998,98.508 36.212,98.295 36.212,97.37 36.225,97.37 36.901,96.695 39.789,96.695 40.795,95.688 42.315,95.688 42.567,95.94 42.567,97.06 42.822,97.316 43.773,97.316 43.968,97.512 43.968,98.545 43.62,98.894 43.061,98.894 42.86,99.095 42.86,99.723 42.775,99.808
  pour cut-out: 33.902,69.807 33.902,68.508 35.998,68.508 36.212,68.295 36.212,67.37 36.225,67.37 36.901,66.695 39.789,66.695 40.795,65.688 42.315,65.688 42.567,65.94 42.567,67.06 42.822,67.316 43.773,67.316 43.968,67.512 43.968,68.545 43.62,68.894 43.061,68.894 42.86,69.095 42.86,69.723 42.775,69.808
  pour cut-out: 33.902,39.807 33.902,38.508 35.998,38.508 36.212,38.295 36.212,37.37 36.225,37.37 36.901,36.695 39.789,36.695 40.795,35.688 42.315,35.688 42.567,35.94 42.567,37.06 42.822,37.316 43.773,37.316 43.968,37.512 43.968,38.545 43.62,38.894 43.061,38.894 42.86,39.095 42.86,39.723 42.775,39.808
  pour cut-out: 33.902,9.807 33.902,8.508 35.999,8.508 36.212,8.294 36.212,7.37 36.226,7.37 36.901,6.694 39.789,6.694 40.796,5.688 42.315,5.688 42.567,5.94 42.567,7.06 42.822,7.315 43.773,7.315 43.969,7.511 43.969,8.545 43.62,8.893 43.061,8.893 42.86,9.094 42.86,9.722 42.776,9.807
  pour cut-out: 33.902,339.807 33.902,338.508 35.999,338.508 36.212,338.295 36.212,337.37 36.226,337.37 36.901,336.694 39.789,336.694 40.796,335.688 42.315,335.688 42.567,335.94 42.567,337.06 42.822,337.315 43.773,337.315 43.969,337.511 43.969,338.545 43.62,338.894 43.061,338.894 42.86,339.094 42.86,339.723 42.776,339.807
  pour cut-out: 17.2,9.1 17.2,12.3 13.8,12.3 13.8,9.1
  pour cut-out: 17.2,39.1 17.2,42.3 13.8,42.3 13.8,39.1
  pour cut-out: 17.2,69.1 17.2,72.3 13.8,72.3 13.8,69.1
  pour cut-out: 17.2,99.1 17.2,102.3 13.8,102.3 13.8,99.1
  pour cut-out: 17.2,129.1 17.2,132.3 13.8,132.3 13.8,129.1
  pour cut-out: 17.2,159.1 17.2,162.3 13.8,162.3 13.8,159.1
  pour cut-out: 17.2,189.1 17.2,192.3 13.8,192.3 13.8,189.1
  pour cut-out: 17.2,219.1 17.2,222.3 13.8,222.3 13.8,219.1
  pour cut-out: 17.2,249.1 17.2,252.3 13.8,252.3 13.8,249.1
  pour cut-out: 13.8,282.3 17.2,282.3 17.2,279.1 13.8,279.1
  pour cut-out: 13.8,312.3 17.2,312.3 17.2,309.1 13.8,309.1
  pour cut-out: 17.2,339.1 17.2,342.3 13.8,342.3 13.8,339.1
L3:
  pour cut-out: 17.2,12.3 13.8,12.3 13.8,9.1 17.2,9.1
  pour cut-out: 17.2,42.3 13.8,42.3 13.8,39.1 17.2,39.1
  pour cut-out: 17.2,72.3 13.8,72.3 13.8,69.1 17.2,69.1
  pour cut-out: 17.2,102.3 13.8,102.3 13.8,99.1 17.2,99.1
  pour cut-out: 17.2,132.3 13.8,132.3 13.8,129.1 17.2,129.1
  pour cut-out: 17.2,162.3 13.8,162.3 13.8,159.1 17.2,159.1
  pour cut-out: 17.2,192.3 13.8,192.3 13.8,189.1 17.2,189.1
  pour cut-out: 17.2,222.3 13.8,222.3 13.8,219.1 17.2,219.1
  pour cut-out: 17.2,252.3 13.8,252.3 13.8,249.1 17.2,249.1
  pour cut-out: 17.2,282.3 13.8,282.3 13.8,279.1 17.2,279.1
  pour cut-out: 17.2,312.3 13.8,312.3 13.8,309.1 17.2,309.1
  pour cut-out: 17.2,342.3 13.8,342.3 13.8,339.1 17.2,339.1
L4:
  pour cut-out: 33.902,309.807 33.902,308.508 35.999,308.508 36.212,308.294 36.212,307.37 36.226,307.37 36.901,306.694 39.789,306.694 40.796,305.688 42.315,305.688 42.567,305.94 42.567,307.06 42.822,307.315 43.773,307.315 43.969,307.511 43.969,308.545 43.62,308.893 43.061,308.893 42.86,309.094 42.86,309.722 42.776,309.807
  pour cut-out: 33.902,279.807 33.902,278.508 35.998,278.508 36.212,278.295 36.212,277.37 36.225,277.37 36.901,276.695 39.789,276.695 40.795,275.688 42.315,275.688 42.567,275.94 42.567,277.06 42.822,277.316 43.773,277.316 43.968,277.512 43.968,278.545 43.62,278.894 43.061,278.894 42.86,279.095 42.86,279.723 42.775,279.808
  pour cut-out: 33.902,249.807 33.902,248.508 35.998,248.508 36.212,248.295 36.212,247.37 36.225,247.37 36.901,246.695 39.789,246.695 40.795,245.688 42.315,245.688 42.567,245.94 42.567,247.06 42.822,247.316 43.773,247.316 43.968,247.512 43.968,248.545 43.62,248.894 43.061,248.894 42.86,249.095 42.86,249.723 42.775,249.808
  pour cut-out: 33.902,219.807 33.902,218.508 35.998,218.508 36.212,218.295 36.212,217.37 36.225,217.37 36.901,216.695 39.789,216.695 40.795,215.688 42.315,215.688 42.567,215.94 42.567,217.06 42.822,217.316 43.773,217.316 43.968,217.512 43.968,218.545 43.62,218.894 43.061,218.894 42.86,219.095 42.86,219.723 42.775,219.808
  pour cut-out: 33.902,189.807 33.902,188.508 35.999,188.508 36.212,188.294 36.212,187.37 36.226,187.37 36.901,186.694 39.789,186.694 40.796,185.688 42.315,185.688 42.567,185.94 42.567,187.06 42.822,187.315 43.773,187.315 43.969,187.511 43.969,188.545 43.62,188.893 43.061,188.893 42.86,189.094 42.86,189.722 42.776,189.807
  pour cut-out: 33.902,159.807 33.902,158.508 35.998,158.508 36.212,158.295 36.212,157.37 36.225,157.37 36.901,156.695 39.789,156.695 40.795,155.688 42.315,155.688 42.567,155.94 42.567,157.06 42.822,157.316 43.773,157.316 43.968,157.512 43.968,158.545 43.62,158.894 43.061,158.894 42.86,159.095 42.86,159.723 42.775,159.808
  pour cut-out: 33.902,129.807 33.902,128.508 35.999,128.508 36.212,128.294 36.212,127.37 36.226,127.37 36.901,126.694 39.789,126.694 40.796,125.688 42.315,125.688 42.567,125.94 42.567,127.06 42.822,127.315 43.773,127.315 43.969,127.511 43.969,128.545 43.62,128.893 43.061,128.893 42.86,129.094 42.86,129.722 42.776,129.807
  pour cut-out: 33.902,99.807 33.902,98.508 35.998,98.508 36.212,98.295 36.212,97.37 36.225,97.37 36.901,96.695 39.789,96.695 40.795,95.688 42.315,95.688 42.567,95.94 42.567,97.06 42.822,97.316 43.773,97.316 43.968,97.512 43.968,98.545 43.62,98.894 43.061,98.894 42.86,99.095 42.86,99.723 42.775,99.808
  pour cut-out: 33.902,69.807 33.902,68.508 35.998,68.508 36.212,68.295 36.212,67.37 36.225,67.37 36.901,66.695 39.789,66.695 40.795,65.688 42.315,65.688 42.567,65.94 42.567,67.06 42.822,67.316 43.773,67.316 43.968,67.512 43.968,68.545 43.62,68.894 43.061,68.894 42.86,69.095 42.86,69.723 42.775,69.808
  pour cut-out: 33.902,39.807 33.902,38.508 35.998,38.508 36.212,38.295 36.212,37.37 36.225,37.37 36.901,36.695 39.789,36.695 40.795,35.688 42.315,35.688 42.567,35.94 42.567,37.06 42.822,37.316 43.773,37.316 43.968,37.512 43.968,38.545 43.62,38.894 43.061,38.894 42.86,39.095 42.86,39.723 42.775,39.808
  pour cut-out: 33.902,9.807 33.902,8.508 35.999,8.508 36.212,8.294 36.212,7.37 36.226,7.37 36.901,6.694 39.789,6.694 40.796,5.688 42.315,5.688 42.567,5.94 42.567,7.06 42.822,7.315 43.773,7.315 43.969,7.511 43.969,8.545 43.62,8.893 43.061,8.893 42.86,9.094 42.86,9.722 42.776,9.807
  pour cut-out: 33.902,339.807 33.902,338.508 35.999,338.508 36.212,338.295 36.212,337.37 36.226,337.37 36.901,336.694 39.789,336.694 40.796,335.688 42.315,335.688 42.567,335.94 42.567,337.06 42.822,337.315 43.773,337.315 43.969,337.511 43.969,338.545 43.62,338.894 43.061,338.894 42.86,339.094 42.86,339.723 42.776,339.807
  pour cut-out: 47.194,12.829 48.182,11.841 48.182,10.356 47.232,9.329 45.672,9.329 44.682,10.318 44.682,11.879 45.632,12.829
  pour cut-out: 47.194,42.829 48.182,41.841 48.182,40.356 47.232,39.329 45.672,39.329 44.682,40.318 44.682,41.879 45.632,42.829
  pour cut-out: 47.194,72.829 48.182,71.841 48.182,70.356 47.232,69.329 45.672,69.329 44.682,70.318 44.682,71.879 45.632,72.829
  pour cut-out: 47.194,102.829 48.182,101.841 48.182,100.356 47.232,99.329 45.672,99.329 44.682,100.318 44.682,101.879 45.632,102.829
  pour cut-out: 47.194,132.829 48.182,131.841 48.182,130.356 47.232,129.329 45.672,129.329 44.682,130.318 44.682,131.879 45.632,132.829
  pour cut-out: 47.194,162.829 48.182,161.841 48.182,160.356 47.232,159.329 45.672,159.329 44.682,160.318 44.682,161.879 45.632,162.829
  pour cut-out: 47.194,192.829 48.182,191.841 48.182,190.356 47.232,189.329 45.672,189.329 44.682,190.318 44.682,191.879 45.632,192.829
  pour cut-out: 47.194,222.829 48.182,221.841 48.182,220.356 47.232,219.329 45.672,219.329 44.682,220.318 44.682,221.879 45.632,222.829
  pour cut-out: 47.194,252.829 48.182,251.841 48.182,250.356 47.232,249.329 45.672,249.329 44.682,250.318 44.682,251.879 45.632,252.829
  pour cut-out: 47.194,282.829 48.182,281.841 48.182,280.356 47.232,279.329 45.672,279.329 44.682,280.318 44.682,281.879 45.632,282.829
  pour cut-out: 47.194,312.829 48.182,311.841 48.182,310.356 47.232,309.329 45.672,309.329 44.682,310.318 44.682,311.879 45.632,312.829
  pour cut-out: 47.31,342.668 48.268,341.71 48.268,340.22 47.348,339.3 47.348,339.168 45.788,339.168 44.831,340.125 44.768,340.125 44.768,341.751 45.685,342.668 45.825,342.668
  pour cut-out: 29.3,12.68 30.042,12.68 31.03,11.692 31.03,10.208 30.08,9.258 30.08,9.18 28.52,9.18 27.53,10.17 27.53,11.73 28.48,12.68 29.3,12.68
  pour cut-out: 17.2,12.3 13.8,12.3 13.8,9.1 17.2,9.1
  pour cut-out: 29.3,42.68 30.042,42.68 31.03,41.692 31.03,40.208 30.08,39.258 30.08,39.18 28.52,39.18 27.53,40.17 27.53,41.73 28.48,42.68 29.3,42.68
  pour cut-out: 17.2,42.3 13.8,42.3 13.8,39.1 17.2,39.1
  pour cut-out: 30.042,72.68 31.03,71.692 31.03,70.208 30.08,69.258 30.08,69.18 28.52,69.18 27.53,70.17 27.53,71.73 28.48,72.68 28.558,72.68
  pour cut-out: 17.2,72.3 13.8,72.3 13.8,69.1 17.2,69.1
  pour cut-out: 30.042,102.68 31.03,101.692 31.03,100.208 30.08,99.258 30.08,99.18 28.52,99.18 27.53,100.17 27.53,101.73 28.48,102.68 28.558,102.68
  pour cut-out: 17.2,102.3 13.8,102.3 13.8,99.1 17.2,99.1
  pour cut-out: 29.3,132.68 30.042,132.68 31.03,131.692 31.03,130.13 30.08,129.18 28.52,129.18 27.53,130.17 27.53,131.73 27.608,131.73 28.558,132.68
  pour cut-out: 17.2,132.3 13.8,132.3 13.8,129.1 17.2,129.1
  pour cut-out: 29.3,162.68 30.042,162.68 31.03,161.692 31.03,160.13 30.08,159.18 28.52,159.18 27.53,160.17 27.53,161.73 27.608,161.73 28.558,162.68
  pour cut-out: 17.2,162.3 13.8,162.3 13.8,159.1 17.2,159.1
  pour cut-out: 29.3,192.68 30.042,192.68 31.03,191.692 31.03,190.208 30.08,189.258 30.08,189.18 28.52,189.18 27.53,190.17 27.53,191.73 28.48,192.68 29.3,192.68
  pour cut-out: 17.2,192.3 13.8,192.3 13.8,189.1 17.2,189.1
  pour cut-out: 30.042,222.68 31.03,221.692 31.03,220.208 30.08,219.258 30.08,219.18 28.52,219.18 27.53,220.17 27.53,221.73 28.48,222.68 28.558,222.68
  pour cut-out: 17.2,222.3 13.8,222.3 13.8,219.1 17.2,219.1
  pour cut-out: 30.042,252.68 31.03,251.692 31.03,250.208 30.08,249.258 30.08,249.18 28.52,249.18 27.53,250.17 27.53,251.73 28.48,252.68 28.558,252.68
  pour cut-out: 17.2,252.3 13.8,252.3 13.8,249.1 17.2,249.1
  pour cut-out: 30.042,282.68 31.03,281.692 31.03,280.13 30.08,279.18 28.52,279.18 27.53,280.17 27.53,281.73 27.608,281.73 28.558,282.68
  pour cut-out: 17.2,282.3 13.8,282.3 13.8,279.1 17.2,279.1
  pour cut-out: 29.3,312.68 30.042,312.68 31.03,311.692 31.03,310.13 30.08,309.18 28.52,309.18 27.53,310.17 27.53,311.73 27.608,311.73 28.558,312.68
  pour cut-out: 17.2,312.3 13.8,312.3 13.8,309.1 17.2,309.1
  pour cut-out: 28.558,342.68 30.042,342.68 31,341.722 31,340.232 30.08,339.312 30.08,339.18 28.52,339.18 27.563,340.137 27.5,340.137 27.5,341.763 28.417,342.68 29.3,342.68
  pour cut-out: 17.2,342.3 13.8,342.3 13.8,339.1 17.2,339.1